# Altium PCB back3_STM32F405.PcbDoc (part 2 of 4) (continued)
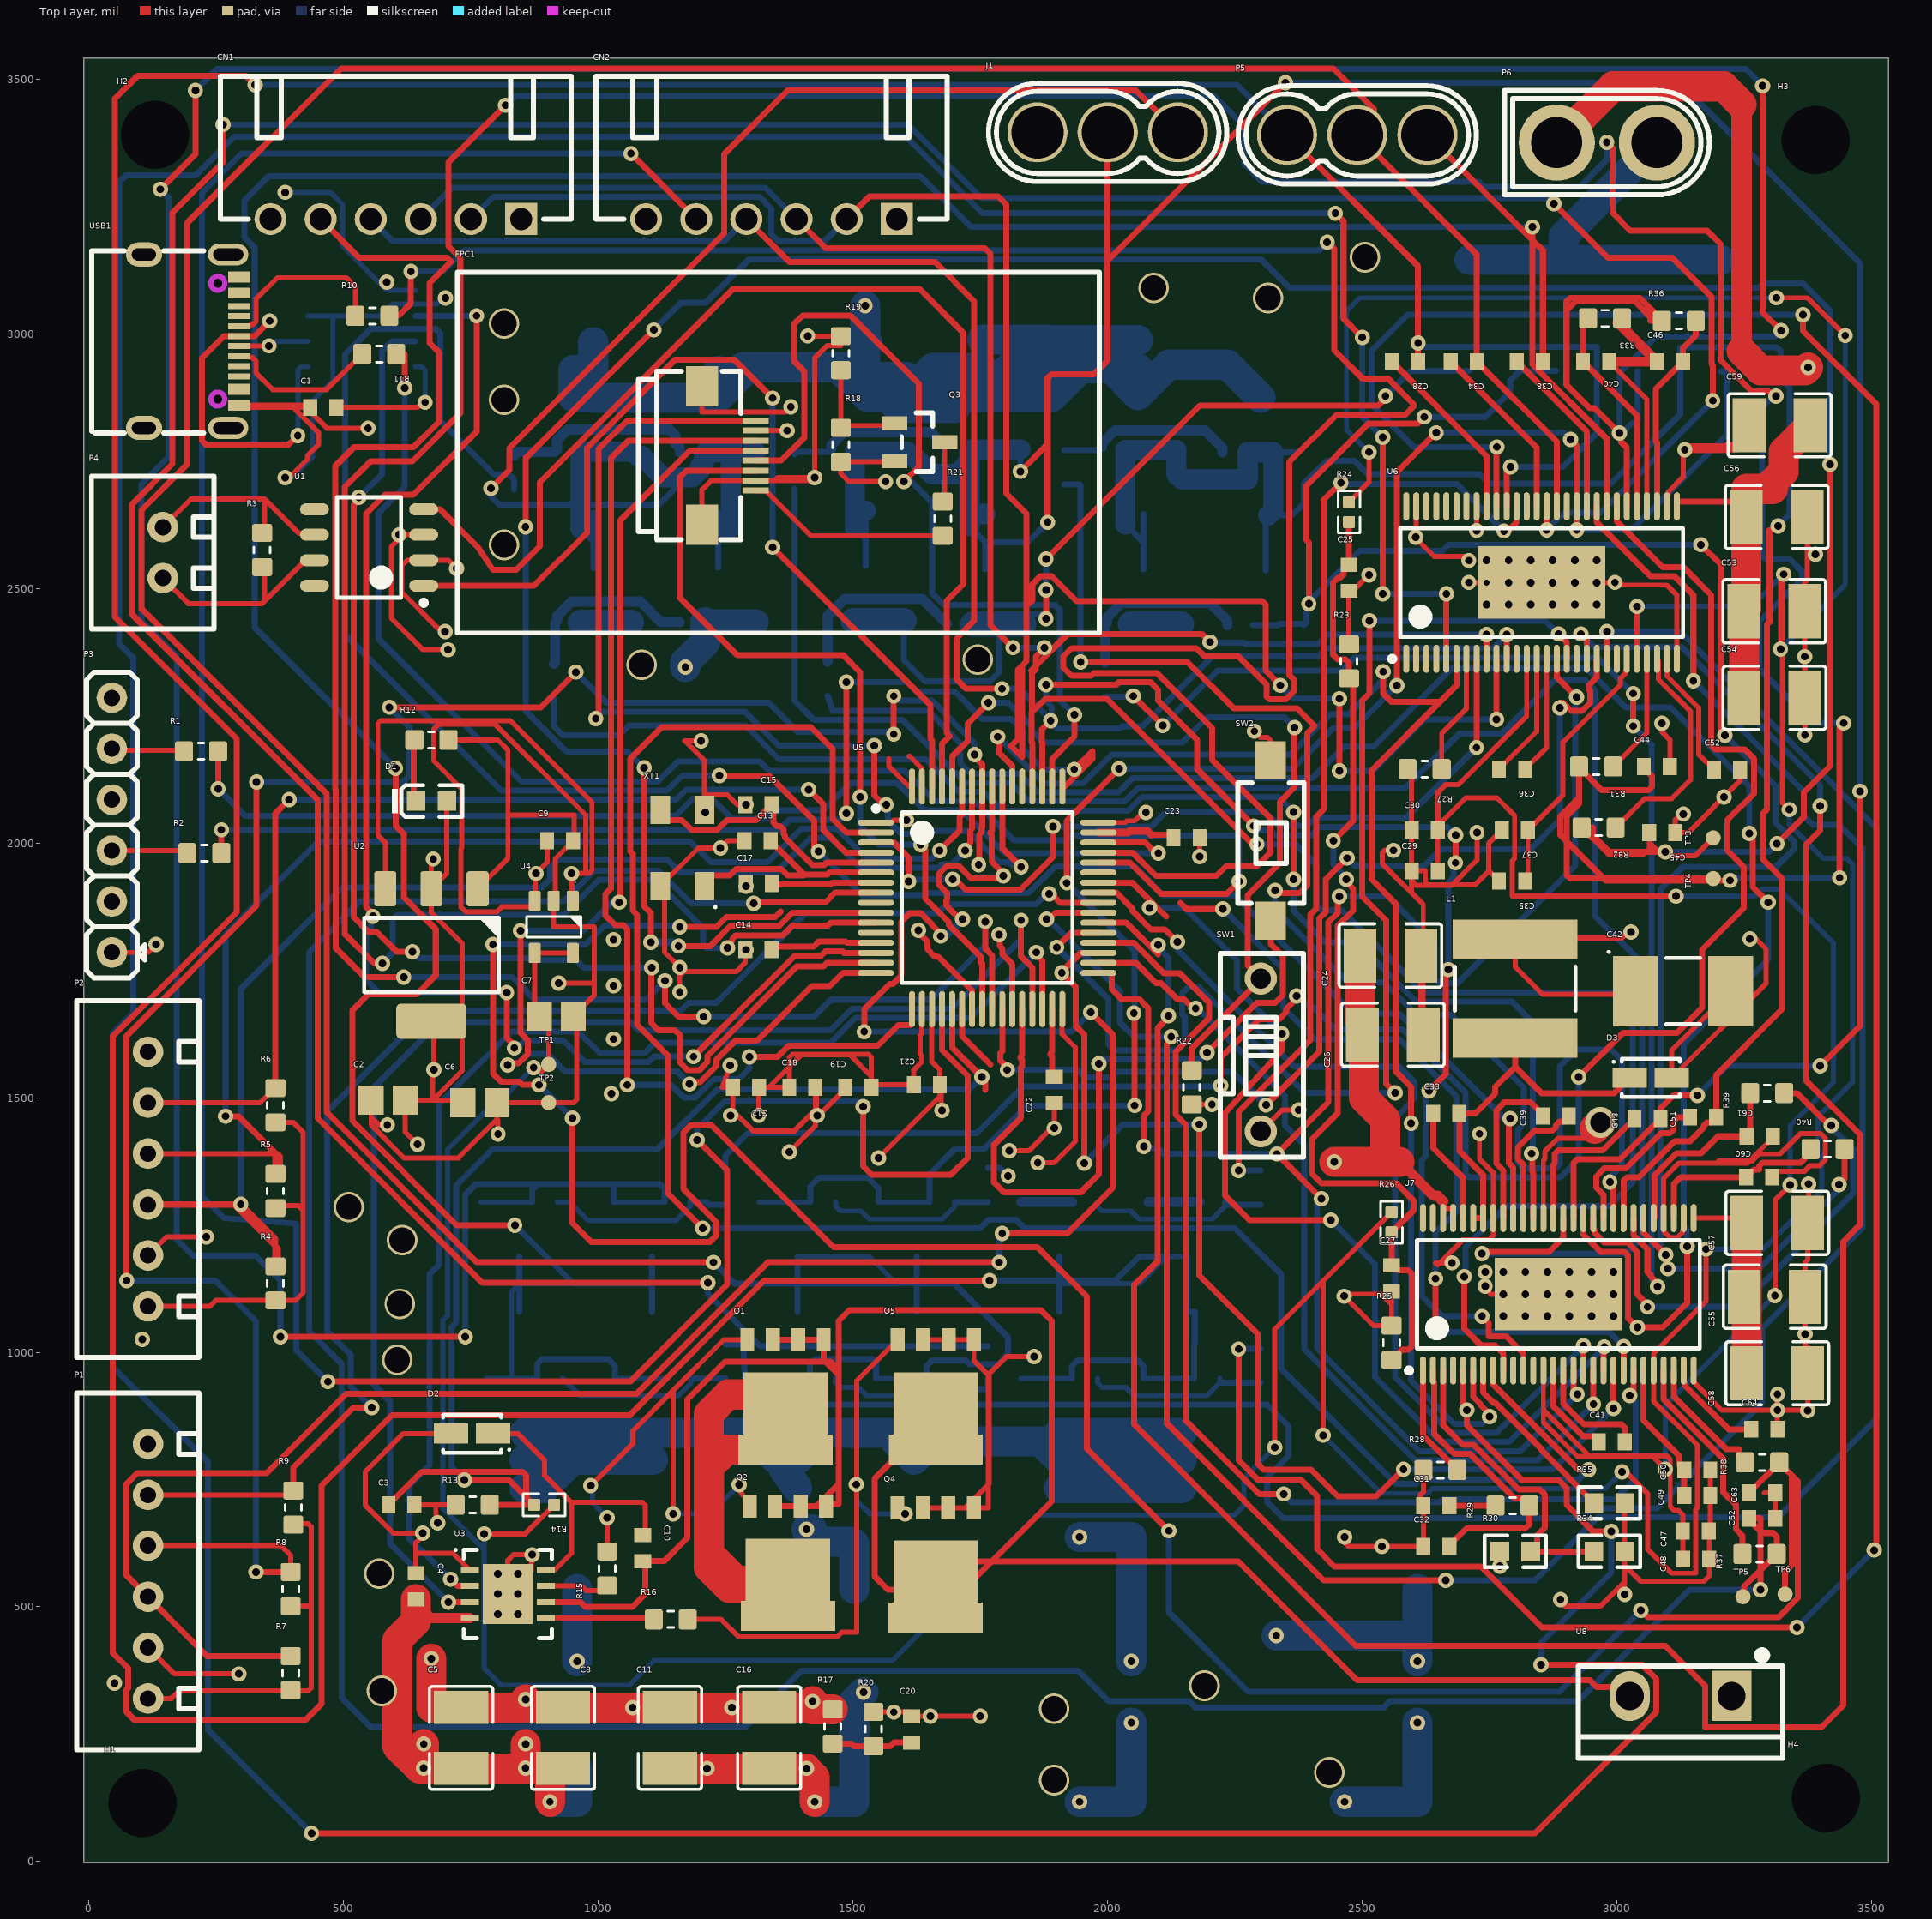
[diagram p0: Top Layer view]
## Nets (pads, with @x,y where several pads share a name; then routed paths per layer and width w, separated by ;. In a path a pad name is that pad's centre, name@x,y a point inside that pad or via, vN(x,y) a via of type N, cw(c..) or ccw(c..) an arc to the next point about the centre after c; other vN are vias at no path point) (continued)
  Bottom Layer w11.81: v1(2070.89,1403.85) 2074.37,1400.37 2098.54,1400.37 2109.52,1389.39 v1(2331.99,1389.39) ; v1(2419.99,1301.39) 2410.99,1292.39 2410.99,1007.39 2612.42,805.95 2810.55,805.95 v1(2921.99,917.39) ; v1(2454.89,1895) 2550.47,1895 2642.08,1803.39 2642.08,1733.39 2650.99,1724.48 2687.08,1724.48 2917.99,1955.39 2917.99,2283.93 v1(2920.54,2286.48)
FAULT_1: U5.54 U6.6 U7.6 | length 2983.1
  Top Layer w11.81: v1(1783.99,2208.39) 1787.47,2204.91 1787.47,2176.37 1812.72,2151.12 U5.54@1812.72,2110.87 ; v1(2540.99,2336.39) 2540.99,2293.39 2556.99,2277.39 2652.75,2277.39 ; v1(2595.99,1449.39) 2595.99,1521.39 2564.99,1552.39 2564.99,1881.39 2517.99,1928.39 2517.99,2142.63 2652.75,2277.39 ; U6.6@2684.75,2361.57 2684.75,2309.39 2652.75,2277.39 ; U7.6@2717.58,964.24 2717.58,912.27 2732.03,897.82 2732.03,896.65 2749.91,878.77 v1(2749.91,873.84)
  Bottom Layer w11.81: v1(1783.99,2208.39) 1874.99,2117.39 1951.99,2117.39 2007.99,2173.39 2357.99,2173.39 2436.99,2252.39 2472.99,2252.39 2540.99,2320.39 v1(2540.99,2336.39) ; v1(2595.99,1449.39) 2595.99,944.39 2680.99,859.39 2735.45,859.39 v1(2749.91,873.84)
GH_A_2: R56.2 U7.47 | length 4128
  Top Layer w11.81: v1(1237.99,2132.39) 1334.99,2132.39 1423.99,2043.39 1423.99,1991.39 v1(1431.99,1983.39) ; v1(2789.91,1458.84) 2787.44,1456.38 2787.44,1371.66 2796.32,1362.77 U7.47@2796.32,1263.45
  Bottom Layer w11.81: R56.2@835,2694.1 835,2713.28 824.99,2723.3 794.9,2723.3 689.99,2828.21 689.99,3000.39 680.99,3009.39 552.99,3009.39 502.99,2959.39 502.99,2408.79 809.1,2102.67 1134.71,2102.67 1164.42,2132.39 v1(1237.99,2132.39) ; v1(1431.99,1983.39) 1518,1897.38 1637.89,1897.38 1642,1901.48 1845.08,1901.48 1896.99,1953.39 2053.11,1953.39 2109.11,1897.39 2248.99,1897.39 2480.99,1665.39 2572.29,1665.39 2778.84,1458.84 v1(2789.91,1458.84)
GH_A_3: R45.2 U6.47 | length 5636.1
  Top Layer w11.81: v1(2256.99,1006.39) 2256.99,787.67 2294.27,750.39 2378.27,750.39 2410.99,717.67 2410.99,613.39 2444.99,579.39 2732.56,579.39 2852.13,459.82 v1(3353.42,459.82) ; U6.47@2763.49,2660.78 2763.49,2776.89 v1(2763.99,2777.39) ; v1(3364.89,3037.3) 3364.89,3005.48 3508.71,2861.67 3508.71,615.11 v1(3504.99,611.39)
  Bottom Layer w11.81: v1(2256.99,1006.39) 2257.41,1006.81 R45.2@2300,1006.81 ; v1(2763.99,2777.39) 2600.99,2777.39 2517.99,2860.39 2517.99,2966.39 2588.89,3037.3 v1(3364.89,3037.3) ; v1(3353.42,459.82) v1(3504.99,611.39)
GH_B_2: R52.2 U7.42 | length 3828.6
  Top Layer w11.81: v1(2734.91,1193.84) 2737.87,1196.81 2866.47,1196.81 2894.75,1225.09 U7.42@2894.75,1263.45
  Bottom Layer w11.81: R52.2@1385,2695.63 1385,2279.77 1423.51,2241.27 1597.44,2241.27 1720.99,2117.72 1809.45,2117.72 1845.41,2081.77 2033.53,2081.77 2059.57,2107.81 2583.77,2107.81 2690.35,2214.39 2772.21,2214.39 2772.97,2215.15 2774.63,2215.15 2790.4,2230.91 2790.4,2232.57 2877.55,2319.73 2937.65,2319.73 2956.99,2300.39 2956.99,1856.39 3048.99,1764.39 3048.99,1225.84 3016.99,1193.84 v1(2734.91,1193.84)
GH_B_3: R49.2 U6.42 | length 7435
  Top Layer w11.81: v1(262.99,3410.39) 262.99,3336.39 163.99,3237.39 163.99,2744.39 84.99,2665.39 84.99,2448.39 448.76,2084.62 448.76,1459.62 771.99,1136.39 v1(1214.99,1136.39) ; U6.42@2861.92,2660.78 2861.92,2614.46 v1(2861.99,2614.39) ; v1(2875.99,3255.39) 2981.99,3149.39 3108.6,3149.39 3185.4,3072.59 3185.4,2940.81 3187.99,2938.23 v1(3187.99,2868.39)
  Bottom Layer w11.81: v1(262.99,3410.39) 1607.99,3410.39 1751.99,3266.39 2864.99,3266.39 v1(2875.99,3255.39) ; v1(1214.99,1136.39) 1214.99,1114.39 1317.57,1011.81 R49.2@1765,1011.81 ; v1(2861.99,2614.39) 2895.99,2648.39 2967.99,2648.39 v1(3187.99,2868.39)
GH_C_2: R48.2 U7.37 | length 2852.2
  Top Layer w11.81: v1(1946.99,2355.39) 2156.27,2355.39 2247.55,2264.11 2371.75,2264.11 2406.25,2229.6 2391.89,2215.24 2391.89,1916.39 2376.99,1901.48 2333.89,1901.48 v1(2328.99,1906.39) ; v1(2985.95,1334.13) 2985.95,1329.2 2993.17,1321.99 U7.37@2993.17,1263.45
  Bottom Layer w11.81: R48.2@1915,2704.1 1944.99,2704.1 1946.99,2702.1 v1(1946.99,2355.39) ; v1(2328.99,1906.39) 2328.99,1869.41 2471.81,1726.59 2541.97,1726.59 2606.33,1662.23 2673.96,1662.23 2816.81,1519.37 2816.81,1447.7 2805.25,1436.14 2805.25,1373.12 2816.99,1361.39 2879.99,1361.39 2887.99,1369.39 2887.99,1561.39 2920.99,1594.39 2988.99,1594.39 3009.99,1573.39 3009.99,1367.39 2985.95,1343.36 v1(2985.95,1334.13)
GH_C_3: R53.2 U6.37 | length 4587.2
  Top Layer w11.81: U6.37@2960.34,2660.78 2960.34,2629.39 3066.43,2523.3 3113.08,2523.3 3149.99,2486.39 v1(3149.99,2318.39)
  Bottom Layer w11.81: R53.2@1250,1015.27 1284.99,1015.27 1288.99,913.39 1304.99,897.39 2312.99,897.39 2354.99,855.39 2354.99,796.39 2312.99,754.39 2312.99,706.39 2344.99,674.39 2934.99,674.39 2954.45,693.85 3077.99,693.85 3284.99,900.85 3284.99,1047.39 3481.99,1244.39 3481.99,1989.39 3435.69,2035.69 3384.69,2035.69 3366.99,2053.39 3366.99,2101.39 v1(3149.99,2318.39)
GL_A_2: R55.2 U7.45 | length 2756.8
  Top Layer w11.81: v1(2364.99,1928.39) v1(2364.99,2060.39) ; v1(2832.16,1390.18) 2833.82,1388.52 2833.82,1353.43 2835.69,1351.55 U7.45@2835.69,1263.45
  Bottom Layer w11.81: R55.2@912.79,2284.66 912.79,2228.78 930.18,2211.39 1040.99,2211.39 1059.99,2230.39 1288.99,2230.39 1354.99,2164.39 1642.99,2164.39 1707.47,2099.91 1756.47,2099.91 1792.99,2063.39 2040.34,2063.39 2066.95,2090 2335.38,2090 v1(2364.99,2060.39) ; v1(2364.99,1928.39) 2364.99,1866.39 2426.99,1804.39 2489.99,1804.39 2605.99,1688.39 2793.99,1688.39 2834.91,1647.47 2834.91,1392.92 v1(2832.16,1390.18)
GL_A_3: R46.2 U6.45 | length 1899.5
  Top Layer w11.81: v1(2256.99,1356.81) 2256.99,1472.22 2397.9,1613.13 2397.9,1859.06 2409.99,1871.14 2409.99,2051.67 2424.07,2065.75 2424.07,2673.47 v1(2457.99,2707.39) ; v1(2777.99,2612.39) 2785.86,2612.39 2802.86,2629.39 U6.45@2802.86,2660.78
  Bottom Layer w11.81: v1(2256.99,1356.81) R46.2@2300,1356.81 ; v1(2457.99,2707.39) 2461,2704.38 2686,2704.38 v1(2777.99,2612.39)
GL_B_2: R51.2 U7.40 | length 3621.8
  Top Layer w11.81: U7.40@2934.12,1263.45 2934.12,1230.79 2968.1,1196.81 3014.84,1196.81 3021.81,1189.84 3021.81,1066.94 v1(3039.91,1048.84) 3089.54,1048.84 3137.77,1097.08 v1(3137.77,1207.61) ; v1(3259.99,2018.39) 3266.71,2011.67 3266.71,1913.67 v1(3296.99,1883.39)
  Bottom Layer w11.81: R51.2@1450,2289.1 1460.31,2259.08 1647.61,2259.08 1711.19,2195.51 1711.19,2155.99 1731.64,2135.53 1827.27,2135.53 1863.22,2099.58 2021.18,2099.58 2048.99,2127.39 2401.64,2127.39 2464.03,2189.77 2522.56,2189.77 2675.17,2342.39 2940.99,2342.39 3016.99,2266.39 3104.99,2266.39 3259.99,2111.39 v1(3259.99,2018.39) ; v1(3137.77,1207.61) 3136.89,1208.48 3136.89,1240.32 3130.99,1246.23 3130.99,1605.39 3296.99,1771.39 v1(3296.99,1883.39)
GL_B_3: R50.2 U6.40 | length 46.3
  Bottom Layer w11.81: R50.2@1765,1361.81 1788.69,1361.81 v1(1804.69,1345.81)
GL_C_2: R47.2 U7.35 | length 2484.2
  Top Layer w11.81: v1(2049.99,2288.39) v1(2107.99,2230.39) ; v1(3031.99,2229.39) v1(3031.99,2293.39) ; U7.35@3032.54,1263.45 3032.54,1229.48 3059.91,1202.12 3059.91,1157.7 3066.43,1151.18 3066.43,1149.27 3071.43,1144.27 3071.43,1142.25 3079.91,1133.76 v1(3079.91,1128.84)
  Bottom Layer w11.81: R47.2@1995,2287.17 2048.77,2287.17 v1(2049.99,2288.39) ; v1(2107.99,2230.39) 2215.99,2338.39 2458.99,2338.39 2483.99,2363.39 2961.99,2363.39 v1(3031.99,2293.39) ; v1(3031.99,2229.39) 3067.99,2193.39 3067.99,1140.76 v1(3079.91,1128.84)
GL_C_3: R54.2 U6.35 | length 3810.3
  Top Layer w11.81: v1(2221.99,1523.39) 2221.99,1578.24 2297.94,1654.19 2336.79,1654.19 2350.81,1668.22 2350.81,1674.28 2371,1694.47 v1(2371,1699.39) ; v1(2924.99,1540.39) 3011.99,1627.39 3117.99,1627.39 3166.99,1676.39 3166.99,1790.39 3248.89,1872.3 3248.89,1953.19 3217.08,1985 3217.08,2045.3 3268.99,2097.2 3268.99,2165.39 3250.42,2183.96 3192.99,2183.96 3184.99,2191.96 3184.99,2486.83 3130.71,2541.11 3089.67,2541.11 2999.71,2631.07 U6.35@2999.71,2660.78
  Bottom Layer w11.81: R54.2@1250,1356.81 1250,1386.4 1293.6,1430 1363.55,1430 1363.84,1430.3 1386.13,1430.3 1386.43,1430 1742.6,1430 1834.23,1521.64 2220.23,1521.64 v1(2221.99,1523.39) ; v1(2371,1699.39) 2373.64,1699.39 2395.45,1677.58 2403.8,1677.58 2447.81,1633.57 2578.93,1633.57 2702.81,1509.68 2702.81,1350.31 2709.73,1343.39 2888.99,1343.39 2924.99,1379.39 v1(2924.99,1540.39)
GPIO0_1: SW2.1 U5.28 | length 1384.2
  Top Layer w11.81: U5.28@1832.4,1673.86 1832.4,1583.48 1828.9,1579.98 1828.9,1577.1 1831.83,1574.16 1831.83,1561.83 1830,1560 1830,1460.4 1776.99,1407.39 1776.99,1333.39 1795.99,1314.39 1947.99,1314.39 1982.99,1349.39 v1(1982.99,1566.39) ; v1(2194.99,1588.39) 2292.71,1686.11 2328.71,1686.11 2343.99,1701.39 2343.99,1777.39 2320,1801.38 SW2.1@2320,1847.52
  Bottom Layer w11.81: v1(1982.99,1566.39) 1991.36,1574.77 2181.36,1574.77 v1(2194.99,1588.39)
GVDD: C29.2 C30.2 C47.2 C48.2 U6.13 U7.13 | length 3593.8
  Top Layer w10: C29.2@2647.98,1945.01 C30.2@2647.98,2025.01 2647.98,2033.39 2702.98,2088.39 2763.99,2088.39 2798.99,2053.39 2798.99,1969.39 2793.99,1964.39 2793.99,1895.39 v1(3115.99,1895.39) ; C30.2@2648.93,2025.01 2648.93,2100.01 2663.24,2114.33 2688.24,2114.33 2822.55,2248.63 U6.13@2822.55,2361.57 ; U7.13@2855.38,964.24 2855.38,886.71 ; v1(3094.99,770.39) 3069.99,795.39 2922.27,795.39 2855.38,862.28 2855.38,886.71 ; C48.2@3129.91,593.84 3124.91,598.84 3129.61,603.55 3129.61,648.55 C47.2@3129.32,648.84 3129.32,680.57 3120.83,689.06 3113.03,689.06 3104.54,697.55 3104.54,747.55 3104.54,790.25 3098.68,796.11 2945.98,796.11 2855.38,886.71 ; v1(3309.99,1111.39) 3309.99,1298.39 v1(3339.99,1328.39)
  Bottom Layer w10: v1(3094.99,770.39) 3094.99,896.39 v1(3309.99,1111.39) ; v1(3115.99,1895.39) 3270.99,1895.39 3284.99,1909.39 3317.99,1909.39 3424.99,1802.39 3424.99,1530.39 3339.99,1445.39 v1(3339.99,1328.39)
LEDA_1: FPC1.1 R21.1 | length 403.7
  Top Layer w10: FPC1.1@1308.97,2691.63 1309.88,2690.73 1329.56,2690.73 1417.12,2603.17 R21.1@1676.02,2603.17
M0_AH_1: U5.41 U7.17 | length 1915.5
  Top Layer w11.81: U5.41@1982.01,1902.21 2017.04,1902.21 2048.39,1870.86 2048.39,1866.62 2085,1830 2112.38,1830 v1(2136.99,1805.39) ; U7.17@2934.12,964.24 v1(2934.12,1012.39)
  Bottom Layer w11.81: v1(2136.99,1805.39) 2136.99,1790.39 2366.99,1560.39 2572.99,1560.39 2602.69,1530.7 2602.69,1498.09 2564.31,1459.71 2564.31,950.88 2673.61,841.58 2763.31,841.58 v1(2934.12,1012.39)
M0_AL_1: U5.34 U7.18 | length 1756.8
  Top Layer w11.81: U5.34@1982.01,1764.41 2055.65,1764.41 2095.06,1725 2105,1725 2136.52,1693.48 2149.29,1693.48 2167.76,1675.01 v1(2172.68,1675.01) ; v1(2953.8,898.21) U7.18@2953.8,964.24
  Bottom Layer w11.81: v1(2172.68,1675.01) 2176.37,1675.01 2347.99,1503.39 2347.99,1445.39 2386.46,1406.92 2386.46,1005.69 2604,788.14 2843.74,788.14 v1(2953.8,898.21)
M0_BH_1: U5.42 U7.19 | length 2156
  Top Layer w11.81: U5.42@1982.01,1921.89 2048.11,1921.89 2088.43,1881.57 2097.61,1872.39 ; v1(2081.99,1872.39) 2097.61,1872.39 ; v1(2341.99,1625.39) 2341.99,1592.39 2229.99,1469.39 2229.99,1308.08 2278.58,1259.48 v1(2437.99,1259.48) ; U7.19@2973.49,964.24 2973.49,1008.89 v1(2974.99,1010.39) ; 2097.61,1872.39 2115,1855 2097.61,1872.39
  Bottom Layer w11.81: v1(2081.99,1872.39) 2150.99,1872.39 2253.83,1769.55 2253.83,1713.55 v1(2341.99,1625.39) ; v1(2437.99,1259.48) 2524.84,1172.63 2524.84,951.37 2652.45,823.77 2788.36,823.77 v1(2974.99,1010.39)
M0_BL_1: U5.35 U7.20 | length 2323.8
  Top Layer w11.81: v1(1953.99,1371.39) 1953.99,1623.98 1937.77,1640.2 1937.77,1717.23 v1(1910,1745) 1910,1747.12 1946.97,1784.09 U5.35@1982.01,1784.09 ; v1(2179.99,1447.39) 2179.99,1150.39 2293.99,1036.39 2293.99,781.56 2306.35,769.2 2399.83,769.2 2451.88,717.14 2527.74,717.14 v1(2580.93,770.33) ; v1(2993.17,889.58) U7.20@2993.17,964.24
  Bottom Layer w11.81: v1(1953.99,1371.39) 2029.99,1447.39 v1(2179.99,1447.39) ; v1(2580.93,770.33) 2873.93,770.33 v1(2993.17,889.58)
M0_CH_1: U5.43 U7.21 | length 1651.5
  Top Layer w11.81: 2142.81,1882.19 2155,1870 2225.6,1870 v1(2225.99,1870.39) ; v1(2643.99,1039.39) v1(2643.99,1144.39) ; U7.21@3012.86,964.24 3012.86,1011.26 v1(3012.99,1011.39)
  Bottom Layer w11.81: v1(2225.99,1870.39) 2343.99,1752.39 2343.99,1677.39 2406.99,1614.39 2572.91,1614.39 2685,1502.31 2685,1276.4 2643.99,1235.39 v1(2643.99,1144.39) ; v1(2643.99,1039.39) 2984.99,1039.39 v1(3012.99,1011.39)
M0_CL_1: U5.36 U7.22 | length 2311.6
  Top Layer w11.81: U5.36@1982.01,1803.78 2051.03,1803.78 2111.03,1743.79 2141.96,1743.79 2199.59,1686.16 2199.59,1656.31 2133.41,1590.14 2133.41,1466.48 2153.08,1446.81 2153.08,866.39 2297.79,721.68 v1(2345.79,721.68) ; v1(3024.99,914.83) 3032.54,922.39 U7.22@3032.54,964.24
  Bottom Layer w11.81: v1(2345.79,721.68) 2361.79,705.68 2651.82,705.68 2657.8,711.66 2996.69,711.66 3036.89,751.87 3036.89,902.93 v1(3024.99,914.83)
M0_ENC_A_1: P1.3 R7.1 U5.56 | length 4457.9
  Top Layer w11.81: R7.1@396.12,403.46 231.91,403.46 73.99,561.39 73.99,741.39 94.99,762.39 348.8,762.39 504.8,918.39 1074.98,918.39 1332.98,1176.39 v1(1786.99,1176.39) ; v1(1521.99,1629.39) 1521.99,1673.14 1572.17,1723.32 1578.31,1723.32 1594.99,1740 1594.99,1845.39 1611.99,1862.39 1632.61,1862.39 1655.38,1839.62 1655.38,1838.44 1671.95,1821.87 v1(1671.95,1816.95) ; v1(1715,1850) 1710.08,1850 1690.09,1869.99 1690.01,1869.99 1683.09,1876.91 1683.09,1887.06 1684.84,1888.81 1684.84,1901.48 1669.08,1917.25 1669.08,1939.53 1684.84,1955.3 1707.13,1955.3 1732.23,1930.2 1780.28,1930.2 1790.08,1940 v1@1795,1940 ; U5.56@1773.34,2110.87 1773.34,2024.57 1769.84,2021.07 1769.84,2018.86 1772.78,2015.92 1772.78,1964.05 1774.82,1962.01 1774.82,1960.39 1795,1940.21 v1(1795,1935.28) ; v1(1792.99,1233.39) 1920.99,1233.39 2009.99,1322.39 2009.99,1624.39 v1(1966.99,1667.39)
  Bottom Layer w11.81: v1(1521.99,1629.39) 1928.99,1629.39 v1(1966.99,1667.39) ; v1(1786.99,1176.39) 1786.99,1227.39 v1(1792.99,1233.39)
  Bottom Layer w15: v1(1671.95,1816.95) 1674.82,1819.82 1684.82,1819.82 v1(1715,1850)
M0_ENC_B_1: P1.4 R8.1 U5.57 | length 4297.3
  Top Layer w10: P1.4@116.12,620 377.3,620 396.12,601.18 R8.1@396.12,568.46
  Top Layer w11.81: v1(73.99,1140.39) 73.99,1621.39 328.99,1876.39 v1(328.99,2119.39) ; v1(327.99,568.46) R8.1@396.12,568.46 ; v1(589.99,2266.39) 886.99,2266.39 v1(955.99,2335.39) ; v1(1579.99,2213.39) v1(1579.99,2288.39) ; v1(1738.99,2173.39) 1738.99,2168.47 1753.66,2153.8 1753.66,2030.08 1751.79,2028.2 1751.79,2020.22 1748.28,2016.72 1748.28,1958.61 v1(1746.78,1957.11)
  Bottom Layer w11.81: v1(73.99,1140.39) 247.99,1140.39 327.99,1060.39 v1(327.99,568.46) ; v1(328.99,2119.39) 616.99,2119.39 628.99,2131.39 628.99,2227.39 v1(589.99,2266.39) ; v1(955.99,2335.39) 1015.99,2275.39 1334.33,2275.39 1391.42,2218.3 1575.08,2218.3 v1(1579.99,2213.39) ; v1(1579.99,2288.39) 1589.08,2279.3 1655.08,2279.3 1738.99,2195.39 v1(1738.99,2173.39)
M0_ENC_Z_1: P1.5 R9.1 U5.40 | length 2852.7
  Top Layer w10: P1.5@116.12,720 392.65,720 R9.1@401.12,728.46
  Top Layer w11.81: R9.1@401.12,728.46 401.12,773.39 519.12,891.39 v1(555.36,891.39) ; v1(1885,1900) 1889.92,1900 1907.4,1882.52 U5.40@1982.01,1882.52
  Bottom Layer w11.81: v1(555.36,891.39) 513.71,933.05 513.71,995.11 467.99,1040.83 467.99,1473.39 664.99,1670.39 1161.27,1670.39 1177.18,1686.3 1231.3,1686.3 1407.39,1862.39 1666.99,1862.39 1684.42,1879.82 1859.9,1879.82 1880.08,1900 v1(1885,1900)
M0_nCS_1: U5.2 U7.8 | length 4020.1
  Top Layer w11.81: v1(1204.99,1243.39) 1136.99,1311.39 1136.99,1582.39 1075.99,1643.39 1075.99,1858.97 1067.89,1867.06 1067.89,1978.23 1062.61,1983.51 1062.61,2165.39 1124.61,2227.39 1416.99,2227.39 1459.99,2184.39 1459.99,2047.34 1487.01,2020.32 U5.2@1545,2020.32 ; U7.8@2756.95,964.24 2756.95,936.8 2884.91,808.84 2924.36,769.39 v1(2943.99,769.39)
  Bottom Layer w11.81: v1(1204.99,1243.39) 1749.18,1243.39 1766.08,1260.3 1819.87,1260.3 1836.77,1243.39 2249.99,1243.39 2340.99,1152.39 2340.99,966.85 2566.45,741.39 2604.72,741.39 2613.72,750.39 2924.99,750.39 v1(2943.99,769.39)
M0_SO1_1: C62.2 R37.2 TP5.1 U5.8 | length 6064.8
  Top Layer w11.81: v1(1304.99,1881.39) 1306.88,1883.28 1445.5,1883.28 1464.42,1902.21 U5.8@1545,1902.21 ; TP5.1@3247.39,520.01 3249.91,522.53 3249.91,540.38 R37.2@3313.37,603.84 3313.37,638.29 3306.45,645.2 3285,645.2 3259.32,670.89 C62.2@3259.32,673.84 3281.99,673.84 v1(3281.99,533.39)
  Bottom Layer w11.81: v1(1304.99,1881.39) 1182.18,1881.39 1118.18,1945.39 991.99,1945.39 931.99,1885.39 531.99,1885.39 431.99,1785.39 431.99,1041.3 495.89,977.39 495.89,321.48 552.99,264.39 1288.99,264.39 1398.99,374.39 1941.99,374.39 2001.99,314.39 2159.99,314.39 2171.99,302.39 2541.99,302.39 2553.99,314.39 2922.99,314.39 3141.99,533.39 v1(3281.99,533.39)
M0_SO2_1: C63.2 R38.2 TP6.1 U5.9 | length 5428.4
  Top Layer w11.81: v1(792.99,1800.39) 792.99,1547.39 808.99,1531.39 844.95,1531.39 850.86,1525.48 882.89,1525.48 v1(883.57,1524.81) ; v1(948.99,1459.39) 948.99,1253.39 985.99,1216.39 1218.99,1216.39 1231.99,1229.39 1231.99,1255.39 1166.99,1320.39 1166.99,1431.39 1180.99,1445.39 1222.99,1445.39 1461.99,1206.39 1861.99,1206.39 1958.99,1109.39 1958.99,810.39 v1(2119.99,649.39) ; v1(1160,1835) 1232.04,1835 1251.3,1854.26 1347.39,1854.26 1358.6,1865.47 ; v1(3046.99,493.39) 3060.99,479.39 3316.99,479.39 3354.99,517.39 3354.99,746.39 3318.37,783.01 R38.2@3318.37,783.84 ; C63.2@3259.32,723.84 3318.37,782.9 3342.99,758.28 3342.99,581.82 3329.91,568.74 TP6.1@3329.91,525.01
  Bottom Layer w11.81: v1(792.99,1800.39) 974.99,1800.39 1011.99,1837.39 1157.61,1837.39 v1(1160,1835) ; v1(883.57,1524.81) v1(948.99,1459.39) ; v1(2119.99,649.39) 2119.99,489.39 2275.99,333.39 2886.99,333.39 v1(3046.99,493.39)
M0_TEMP_1: C25.2 C27.2 R23.2 R24.1 R25.2 R26.1 | length 1999.3
  Top Layer w11.81: v1(2442.99,2004.48) 2481.89,2043.39 2481.89,2323.08 R23.2@2473.93,2323.08 2473.93,2353.47 2467.01,2360.39 2451.9,2360.39 2442.33,2369.96 2442.33,2510.77 2452.26,2520.7 2456.18,2520.7 2463.1,2527.61 2463.1,2538.32 2470.97,2546.19 C25.2@2473.93,2546.19 R24.1@2473.93,2630.01 ; v1(2468.39,1928.38) 2468.39,1923.45 2481.8,1910.04 2481.8,1867.39 2451.34,1836.93 2451.34,1468.74 2401.88,1419.28 2401.88,1349.39 2419.57,1331.7 2566.88,1331.7 2601.11,1297.47 2601.11,1279.05 R26.1@2557.39,1235.33 C27.2@2557.39,1170.6 2560.34,1170.6 2570.34,1160.6 2590.47,1160.6 2597.39,1153.68 2597.39,1011.93 2590.47,1005.01 2578.09,1005.01 2571.17,998.09 2571.17,996.82 2559.36,985.01 R25.2@2557.39,985.01
  Bottom Layer w11.81: v1(2442.99,2004.48) 2442.99,1957.6 2468.39,1932.2 v1(2468.39,1928.38)
M0_TEMP（ENC_CS0）_1: CN1.5 U5.25 | length 3485.4
  Top Layer w11.81: CN1.5@454.72,3225 530.33,3149.39 703.18,3149.39 711.18,3141.39 669.06,3099.28 669.06,2981.39 686.99,2963.46 686.99,2826.58 637.8,2777.39 520.99,2777.39 483.99,2740.39 483.99,2104.25 484.38,2103.86 484.38,1793.34 541.33,1736.39 v1(617.99,1736.39) ; v1(1130.99,1729.39) 1130.99,1685.39 1156.99,1659.39 v1(1206.99,1659.39) ; v1(1759.54,1845.46) 1759.54,1792.59 1773.35,1778.79 U5.25@1773.35,1673.86
  Bottom Layer w11.81: v1(617.99,1736.39) 830.99,1736.39 874.99,1692.39 1093.99,1692.39 v1(1130.99,1729.39) ; v1(1206.99,1659.39) 1423.71,1659.39 1456.71,1692.39 1652.99,1692.39 1759.54,1798.95 v1(1759.54,1845.46)
M1_AH_1: U5.37 U6.17 | length 2494.3
  Top Layer w11.81: v1(1900,1795) 1928.47,1823.47 U5.37@1982.01,1823.47 ; v1(2514.08,2436.39) 2514.08,2293.6 2499.71,2279.22 2499.71,1894.93 2547.08,1847.55 2547.08,1526.86 v1(2564.55,1509.39) ; v1(2885.29,2410.39) 2901.29,2394.39 U6.17@2901.29,2361.57
  Bottom Layer w11.81: v1(1900,1795) 2000.99,1694.01 2000.99,1604.58 2012.99,1592.58 2135.85,1592.58 2151.61,1608.34 2151.61,1658.03 2145.93,1663.71 2145.93,1672.12 2145.77,1672.28 2145.77,1704.64 2158.53,1717.39 2178.99,1717.39 2386.99,1509.39 v1(2564.55,1509.39) ; v1(2514.08,2436.39) 2859.29,2436.39 v1(2885.29,2410.39)
M1_AL_1: U5.23 U6.18 | length 202.6
  Top Layer w11.81: v1(1628.48,1828.47) 1628.48,1823.55 1645.81,1806.22 1645.81,1791.19 1659.75,1777.25 1664.75,1777.25 1665.85,1776.15 1668.13,1776.15 1733.98,1710.31 U5.23@1733.98,1673.86
M1_BH_1: U5.38 U6.19 | length 5364.4
  Top Layer w11.81: U5.38@1982.01,1843.15 2036.85,1843.15 2098.99,1781.01 v1(2098.99,1799.39) ; v1(2119.03,1660.97) 2119.03,1657.18 2097.79,1635.94 2097.79,1451.73 2097.8,1178.03 2051.99,1132.22 2051.99,858.54 2487.14,423.39 3094.99,423.39 3172.99,345.39 3172.99,263.39 3400.99,263.39 3443.99,306.39 3443.99,1217.39 3476.99,1250.39 3476.99,1427.39 3371.99,1532.39 3371.99,1997.39 3398.99,2024.39 v1(3398.99,2072.39) ; v1(2928.99,2410.39) 2940.66,2398.72 U6.19@2940.66,2361.57
  Bottom Layer w11.81: v1(2098.99,1799.39) 2098.99,1794.47 2119.03,1774.43 v1(2119.03,1660.97) ; v1(2928.99,2410.39) 2954.99,2384.39 3127.99,2384.39 3398.99,2113.39 v1(3398.99,2072.39)
M1_BL_1: U5.26 U6.20 | length 2081.3
  Top Layer w11.81: U5.26@1793.03,1673.86 1793.03,1591.06 1789.53,1587.56 1789.53,1572.77 1802.99,1559.31 v1(1802.99,1554.39) ; v1(2310.8,1485.39) 2415.71,1590.31 2415.71,1851.68 2427.99,1863.95 2427.99,1928.2 v1(2469.99,1970.2) ; v1(2887.99,2265.39) 2887.99,2275.34 2893.64,2275.34 2895.79,2273.19 2909.4,2259.58 2931.69,2259.58 2947.45,2275.34 2947.45,2297.63 2944.91,2300.17 2944.91,2309.96 2960.34,2325.39 U6.20@2960.34,2361.57
  Bottom Layer w11.81: v1(1802.99,1554.39) 1941.41,1554.39 1956.35,1539.45 2008.27,1539.45 2019.31,1550.49 2245.7,1550.49 v1(2310.8,1485.39) ; v1(2469.99,1970.2) 2485.99,1954.2 2620.92,1954.2 2654.56,1987.84 2830.44,1987.84 2887.99,2045.39 v1(2887.99,2265.39)
M1_CH_1: U5.39 U6.21 | length 4802.9
  Top Layer w11.81: v1(1880,1850) 1884.92,1850 1897.76,1862.84 U5.39@1982.01,1862.84 ; v1(2124.71,1619.48) 2124.71,1614.56 2115.6,1605.46 2115.6,1459.11 2115.61,860.68 2423.9,552.39 v1(2663.99,552.39) ; U6.21@2980.03,2361.57 v1(2980.03,2415.24)
  Bottom Layer w11.81: v1(1880,1850) 1883.32,1850 2024.49,1708.83 2024.49,1646.99 2051.99,1619.48 v1(2124.71,1619.48) ; v1(2663.99,552.39) 2838.66,552.39 2962.31,676.04 3316.64,676.04 3509.99,869.39 3509.99,2028.98 3123.73,2415.24 v1(2980.03,2415.24)
M1_CL_1: U5.27 U6.22 | length 156.8
  Top Layer w11.81: v1(1786.91,1820) 1788.48,1818.42 1788.48,1796.9 1793.27,1792.1 1793.27,1781.38 1811.64,1763.01 1811.64,1761.45 1812.71,1760.37 U5.27@1812.71,1673.86
M1_ENC_A_1: P2.3 R4.1 U5.58 | length 2650.3
  Top Layer w11.81: P2.3@116.12,1290 284.82,1290 370.92,1203.9 370.92,1173.27 R4.1@366.12,1168.46 366.12,1222.26 v1(297.99,1290.39) ; v1(1720,1985) 1720,1989.92 1730.47,2000.39 1730.47,2024.09 1733.98,2027.6 U5.58@1733.98,2110.87
  Bottom Layer w11.81: v1(297.99,1290.39) 297.99,1713.39 496.99,1912.39 888.99,1912.39 904.99,1928.39 904.99,1951.39 920.99,1967.39 1134.99,1967.39 1159.99,1942.39 1349.08,1942.39 1416.99,2010.3 1455.99,2010.3 1514.99,1951.3 1667.85,1951.3 1674.65,1958.09 1693.09,1958.09 v1(1720,1985)
M1_ENC_B_1: P2.4 R5.1 U5.59 | length 2523
  Top Layer w10: P2.4@116.12,1390 370.26,1390 376.12,1384.14 376.12,1360 R5.1@366.12,1350
  Top Layer w11.81: v1(267.99,1463.39) 293.12,1463.39 366.12,1390.39 R5.1@366.12,1350 ; v1(1670,1985) 1708.92,2023.92 1708.92,2049.94 1714.29,2055.31 U5.59@1714.29,2110.87
  Bottom Layer w11.81: v1(267.99,1463.39) 267.99,1820.33 450.2,2002.54 1180.84,2002.54 1220.99,1962.39 1332.99,1962.39 1398.71,2028.11 1468.34,2028.11 1527.34,1969.11 1654.11,1969.11 v1(1670,1985)
M1_ENC_Z_1: P2.5 R6.1 U5.4 | length 2080.5
  Top Layer w10: P2.5@116.12,1490 335.68,1490 364.15,1518.46 R6.1@366.12,1518.46
  Top Layer w11.81: R6.1@366.12,1518.46 366.12,2057.99 v1(392.99,2084.86) ; v1(1412.8,2104.72) 1441.91,2075.6 1441.91,2025.01 1485.98,1980.95 U5.4@1545,1980.95
  Bottom Layer w11.81: v1(392.99,2084.86) 1152.52,2084.86 1172.38,2104.72 v1(1412.8,2104.72)
M1_nCS_1: U5.3 U6.8 | length 1595.5
  Top Layer w11.81: U5.3@1545,2000.63 1580.03,2000.63 1608.99,1971.67 v1(1608.99,1924.39) ; v1(1695.99,1928.39) 1700.91,1928.39 1720.92,1908.38 1828.98,1908.38 1892.99,1972.39 v1(1892.99,2032.39) ; v1(2723.99,2187.39) 2724.12,2187.52 U6.8@2724.12,2361.57
  Bottom Layer w11.81: v1(1608.99,1924.39) 1612.99,1928.39 v1(1695.99,1928.39) ; v1(1892.99,2032.39) 2085.99,2032.39 2113.99,2060.39 2309.18,2060.39 2336.08,2033.48 2391.99,2033.48 2407.89,2049.39 2585.99,2049.39 v1(2723.99,2187.39)
M1_SO1_1: C44.2 R31.2 TP4.1 U5.11 | length 8809.4
  Top Layer w11.81: v1(575.99,1763.39) 559.99,1763.39 502.19,1821.19 502.19,2698.59 552.99,2749.39 634.99,2749.39 728.99,2843.39 728.99,3148.96 705.99,3171.96 705.99,3336.39 v1(817.99,3448.39) ; v1(1254.04,1793.76) 1254.04,1798.69 1263.09,1807.74 1263.09,1811.62 1263.13,1811.66 1270.11,1818.64 1362.14,1818.64 1381.35,1837.85 1450.48,1837.85 1455.78,1843.15 U5.11@1545,1843.15 ; R31.2@2925.46,2150.01 R31.2@2925.46,2148.04 ; v1(2979.99,3375.39) 2990.99,3364.39 2990.99,3237.39 3025.99,3202.39 3176.99,3202.39 3203.21,3176.16 3203.21,2948.19 3264.97,2886.43 3298.2,2886.43 3307.29,2877.33 v1(3312.21,2877.33) ; C44.2@3052.75,2150.01 3052.75,2147.06 3068.93,2130.88 3068.93,2110.56 3062.01,2103.64 2969.86,2103.64 R31.2@2925.46,2148.04 ; TP4.1@3188.93,1930.01 2907.76,1930.01 2900.84,1936.93 2900.84,2052.03 2925.46,2076.66 R31.2@2925.46,2148.04 ; v1(3221.99,1926.39) 2977.99,1926.39 2888.99,2015.39 2888.99,2052.39 2925.46,2088.86 R31.2@2925.46,2148.04 ; v1(3436.99,1931.39) 3436.99,2227.39 v1(3444.99,2235.39)
  Bottom Layer w11.81: v1(575.99,1763.39) 596.71,1784.11 596.71,1850.11 604.99,1858.39 931.99,1858.39 1000.99,1927.39 1110.99,1927.39 1205.99,1832.39 1205.99,1800.68 1212.91,1793.76 v1(1254.04,1793.76) ; v1(817.99,3448.39) 835.99,3466.39 2208.99,3466.39 2267.99,3407.39 2267.99,3333.29 2302.98,3298.3 2728.89,3298.3 2738.89,3288.29 2926.89,3288.29 2979.99,3341.39 v1(2979.99,3375.39) ; v1(3221.99,1926.39) 3226.99,1931.39 v1(3436.99,1931.39) ; v1(3312.21,2877.33) 3307.29,2877.33 3298.43,2868.47 3285,2855.04 3285,2563.31 3291.92,2556.39 3339.99,2556.39 3362.99,2533.39 3362.99,2518.39 3278.99,2434.39 3278.99,2341.39 3384.99,2235.39 v1(3444.99,2235.39)
M1_SO2_1: C45.2 R32.2 TP3.1 U5.10 | length 6216.4
  Top Layer w10: R32.2@2930.46,2030.01 2984.04,1976.43 3051.49,1976.43 3063.33,1988.28 3063.33,2000.6 ; C45.2@3063.33,2020.01 3063.33,2000.6 ; TP3.1@3188.93,2010.01 3153.92,1975.01 3088.93,1975.01 3063.33,2000.6
  Top Layer w11.81: v1(856.99,2620.39) 856.99,2755.39 v1(1108.99,3007.39) ; v1(1089.99,2147.39) 1089.99,1875.39 1102.89,1862.48 v1(1102.89,1805) ; v1@1160,1800 1162.48,1797.52 1219.75,1797.52 1258.67,1836.45 1354.76,1836.45 1381.15,1862.84 U5.10@1545,1862.84 ; R32.2@2930.46,2030.01 2952.99,2030.01 2952.99,2014.39 2984.99,1982.39 3081.55,1982.39 v1(3094.99,1982.39) ; v1(3313.99,1998.39) 3366.53,2050.93 3366.53,2099.3 3417.99,2150.75 v1(3417.99,2743.39)
  Bottom Layer w11.81: v1(856.99,2620.39) 856.99,2259.39 936.99,2179.39 1057.99,2179.39 v1(1089.99,2147.39) ; v1(1108.99,3007.39) 1161.99,3060.39 1209.99,3060.39 1295.57,3145.97 2301.4,3145.97 2356.99,3090.39 3278.18,3090.39 3286.08,3098.3 3365.08,3098.3 3417.99,3045.39 v1(3417.99,2743.39) ; v1(3094.99,1982.39) 3297.99,1982.39 v1(3313.99,1998.39)
  Bottom Layer w15: v1(1102.89,1805) 1145.98,1805 1153.46,1797.52 v1(1157.52,1797.52)
M1_TEMP（ENC_CS1）_1: CN2.5 U5.20 | length 5765.4
  Top Layer w11.81: v1(468.99,942.39) 1062.48,942.39 1252.99,1132.9 1252.99,1357.58 v1(1193.99,1416.58) ; v1(1063.97,3353.39) CN2.5@1192.36,3225 ; v1(1519.99,1482.39) 1519.99,1365.39 1536.99,1348.39 1692,1348.39 1725,1381.39 1725,1543.19 1674.92,1593.27 U5.20@1674.92,1673.86
  Bottom Layer w11.81: v1(468.99,942.39) 406.99,1004.39 406.99,1252.39 264.99,1263.39 221.99,1306.39 221.99,3276.02 299.35,3353.39 v1(1063.97,3353.39) ; v1(1193.99,1416.58) 1193.99,1438.39 1247.99,1492.39 1509.99,1492.39 v1(1519.99,1482.39)
NetC1_2: C1.2 U9.8 | length 277.4
  Top Layer w10: C1.2@495.59,2865 C1.2@485.59,2855 644.59,2855 654.59,2865 v1(660,2865)
  Bottom Layer w10: U9.8@641.22,2935 653.12,2935 659.96,2928.16 v1(660,2865) v1(660,2865)